# Allegro board 08_038702e.brd (continued)
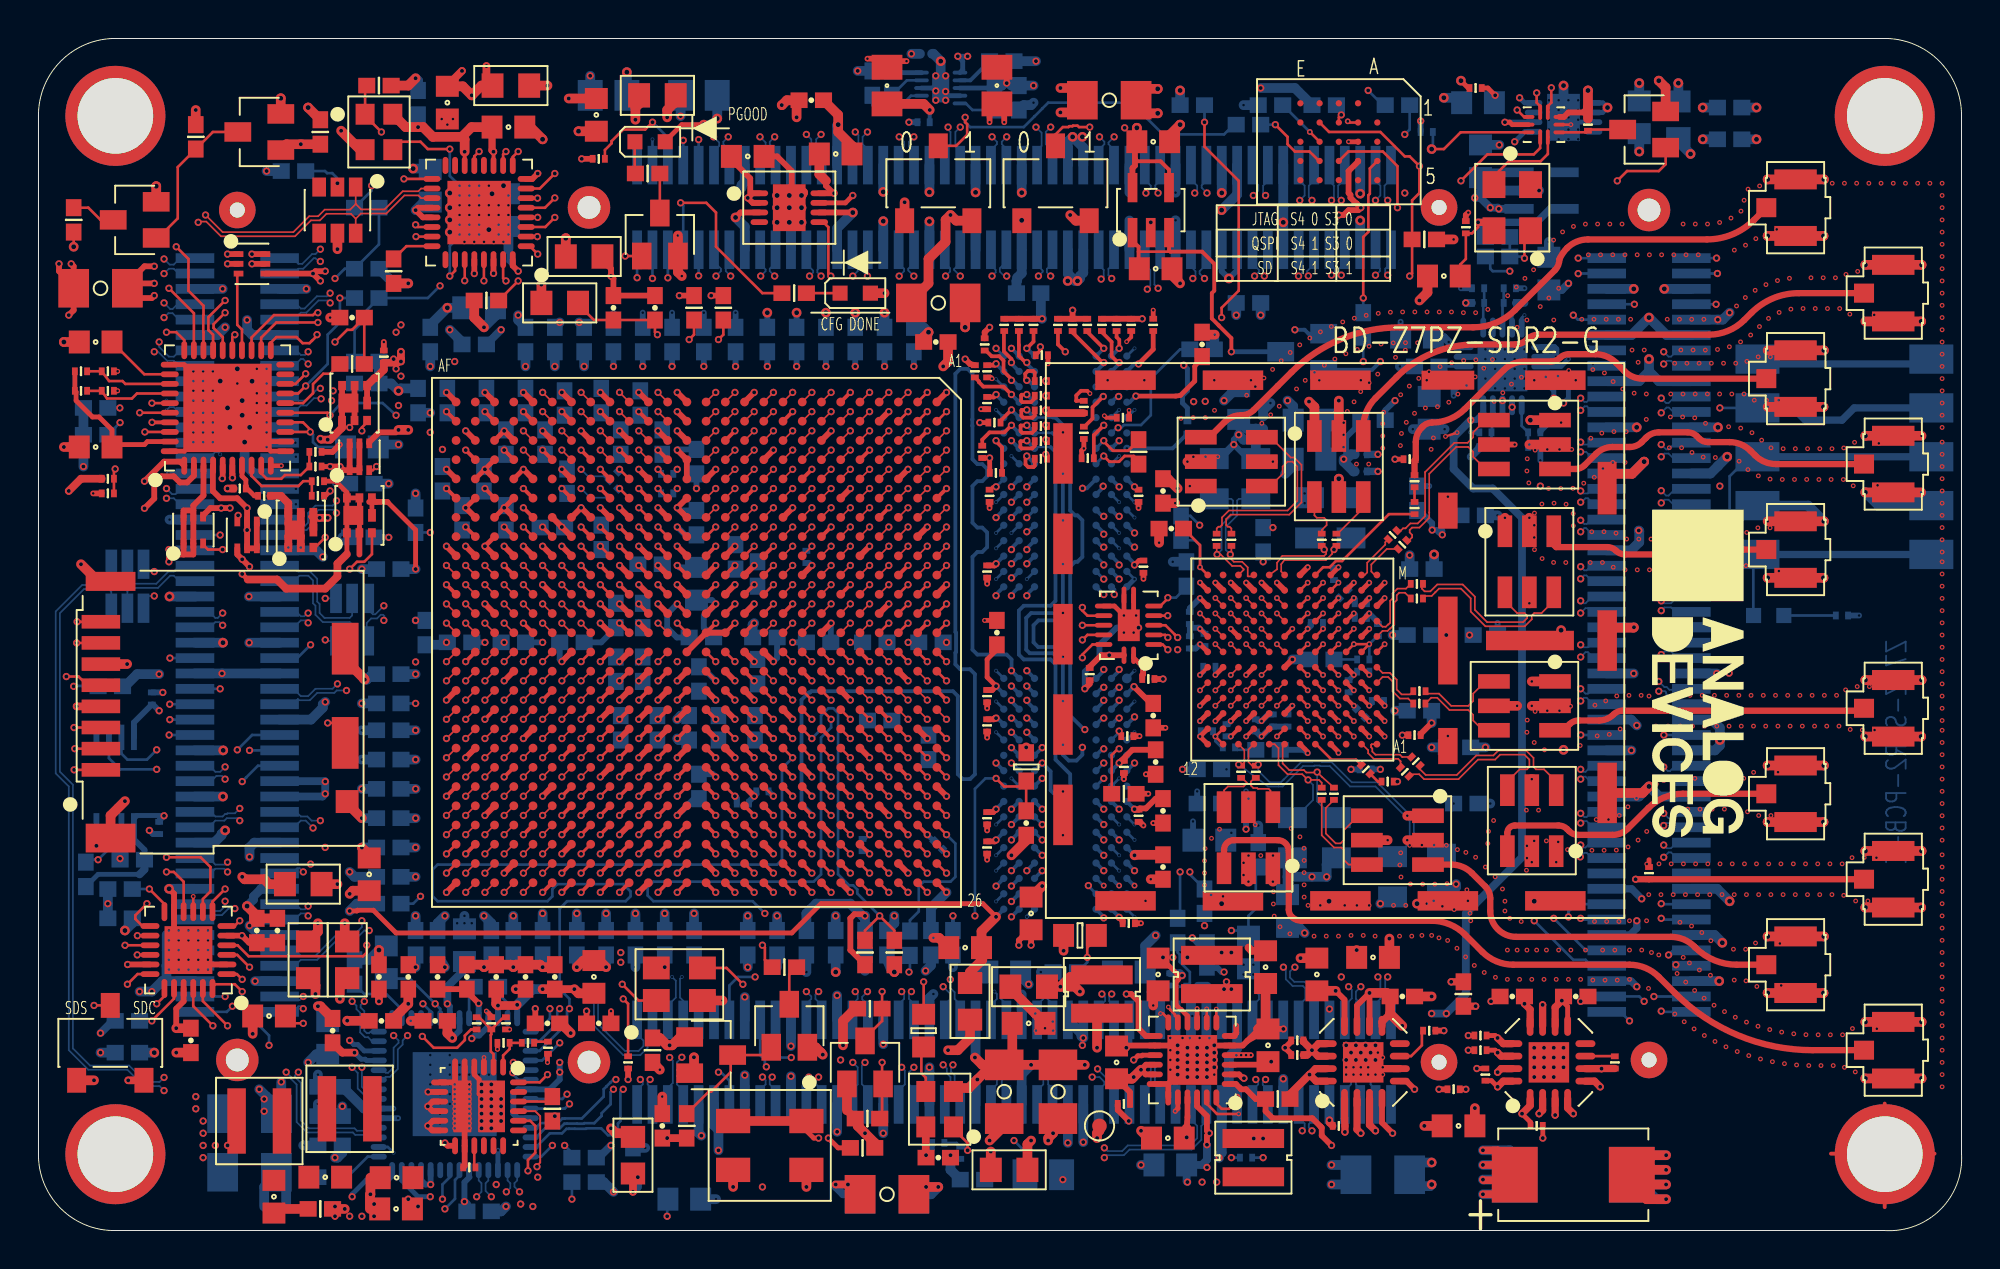
[diagram p0: board, top side]
## Routing (per net, layer and track width the routed paths; a pad name or vN(x,y) marks a point on that pad's centre or on a via; arc(x,y) is an arc through that point) (continued)
  L19_GND w0.089: v4(68.63,7.98) 68.63,7.6 v3(68.76,7.47)
  BOTTOM w0.089: v4(68.63,7.98) 68.51,7.86 68.51,7.6 68.73,7.38 JX2.96
IO_L22_12_JX2_P: length 74.1
  TOP w0.089: U1.AA15 v1(26.22,28.59)
  L17_SIG w0.089: v3(68.12,7.47) 68.12,7.81 68.31,8 68.31,8.08 68.16,8.24 67.62,8.24 67.11,8.74 67.11,10.01 66.22,10.9 66.22,12.94 67.49,14.21 70.56,14.21 70.79,14.44 70.79,17.63 71.17,18.02 71.57,18.02 71.81,18.25 71.81,19.56 71.43,19.94 71.43,22.1 71.19,22.33 62.54,22.33 62.16,21.95 61.01,21.95 60.48,22.48 60.48,22.61 60.25,22.84 48.97,22.84 48.71,23.1 47.56,23.1 47.46,23 42.97,23 42.62,23.34 42.62,23.7 42.33,24 41.97,24 41.62,24.34 41.62,24.7 41.33,25 40.97,25 40.62,25.34 40.62,25.7 40.33,26 31.8,26 31.55,26.25 31.55,26.73 31.55,26.73 31.55,27.45 31.55,27.45 31.55,27.73 31.35,27.92 29.89,27.92 29.55,28.27 29.55,28.73 29.34,28.94 26.7,28.94 26.68,28.96 26.48,28.96 26.38,29.06 26.21,29.06 26.09,28.94 26.09,28.81 26.22,28.68 v1(26.22,28.59)
  L19_GND w0.089: v4(68.12,7.98) v3(68.12,7.47)
  BOTTOM w0.089: v4(68.12,7.98) 68.25,7.86 68.25,7.6 67.93,7.28 JX2.94
IO_L22_13_JX2_N: length 74.1
  TOP w0.089: U1.AB19 v1(25.22,24.59)
  L15_SIG w0.089: v3(58.22,9.13) 58.22,8.24 58.09,8.11 58.09,7.22 57.46,6.59 57.08,6.59 56.31,7.35 56.31,7.98 55.38,8.92 54.8,8.92 54.72,9 53.86,9 53.77,8.91 53.77,6.46 53.52,6.2 49.46,6.2 49.07,5.82 49.07,3.69 48.67,3.28 42.87,3.28 42.75,3.41 39.3,3.41 38.91,3.79 38.91,4.05 38.54,4.43 38.02,4.43 37.64,4.05 37.64,3.81 37.24,3.41 36.25,3.41 35.87,3.79 35.87,5.7 35.6,5.96 35.6,6.7 36.25,7.35 38.3,7.35 38.53,7.58 38.53,11.05 38.3,11.28 35.63,11.28 35.1,11.81 32.29,11.81 30.74,13.36 30.05,13.36 29.75,13.06 25.85,13.06 23.67,15.24 23.67,16.57 24.55,17.45 24.55,17.62 24.56,17.63 24.56,20.81 25.01,21.25 25.35,21.25 25.55,21.45 25.55,21.78 26.02,22.25 26.35,22.25 26.55,22.45 26.55,23.73 26.35,23.93 25.77,23.93 25.59,24.11 25.59,24.22 v1(25.22,24.59)
  L19_GND w0.089: v4(58.22,8.62) v3(58.22,9.13)
  BOTTOM w0.089: JX2.70 58.33,7.33 58.05,7.6 58.05,8.45 v4(58.22,8.62)
IO_L22_13_JX2_P: length 74.1
  TOP w0.089: U1.AA19 v1(26.22,24.59)
  L15_SIG w0.089: v1(26.22,24.59) 25.86,24.23 25.86,24.2 25.88,24.18 26.46,24.18 26.81,23.83 26.81,22.34 26.46,22 26.13,22 25.81,21.68 25.81,21.34 25.46,21 25.11,21 24.82,20.7 24.82,17.53 24.81,17.52 24.81,17.34 23.93,16.47 23.93,15.35 25.96,13.32 29.64,13.32 29.94,13.62 30.85,13.62 32.39,12.07 35.21,12.07 35.74,11.54 38.41,11.54 38.79,11.16 38.79,7.47 38.41,7.09 36.35,7.09 35.85,6.59 35.85,6.07 36.12,5.8 36.12,3.9 36.35,3.66 37.14,3.66 37.39,3.92 37.39,4.16 37.91,4.68 38.65,4.68 39.17,4.16 39.17,3.9 39.4,3.66 42.85,3.66 42.98,3.54 48.57,3.54 48.82,3.79 48.82,5.93 49.35,6.46 53.41,6.46 53.52,6.56 53.52,9.01 53.76,9.25 54.82,9.25 54.9,9.17 55.49,9.17 56.57,8.09 56.57,7.45 57.18,6.84 57.35,6.84 57.84,7.33 57.84,7.6 57.71,7.73 57.71,7.86 57.84,7.98 57.84,8.21 57.96,8.34 57.96,8.74 57.9,8.81 57.77,8.81 57.71,8.74 57.46,8.74 57.39,8.81 57.39,8.93 v3(57.58,9.13)
  L19_GND w0.089: v3(57.58,9.13) 57.71,9 v4(57.71,8.62)
  BOTTOM w0.089: v4(57.71,8.62) 57.84,8.49 57.84,7.6 57.53,7.29 JX2.68
IO_L22_33_JX1_N: length 72.5
  TOP w0.089: U1.J6 v1(39.22,38.59)
  L3_SIG w0.089: v1(39.22,38.59) 39.09,38.46 38.79,38.46 38.68,38.57 38.68,38.7 38.88,38.89 39.35,38.89 39.81,39.34 39.81,39.65 40.15,40 40.46,40 40.81,40.34 40.81,43.96 43.65,46.81 43.99,46.81 44.86,47.67 44.86,48.01 47.75,50.9 64.95,50.9 65.33,51.28 65.33,52.11 65.38,52.16 65.38,52.7 65.02,53.07 65,53.09 64.91,53.09 64.7,53.3 64.7,53.6 65.33,54.23 65.33,54.95 64.57,55.71 64.57,56.52 65.33,57.28 65.33,57.77 64.95,58.15 61.52,58.15 61.14,57.77 61.14,56.73 60.78,56.37 54.28,56.37 53.9,55.99 53.9,55.23 53.52,54.85 43.3,54.85 43.11,55.04 v1(43.11,57.13)
  BOTTOM w0.089: JX1.31 43.13,56.22 42.85,56.5 42.85,56.88 v1(43.11,57.13)
IO_L22_33_JX1_P: length 72.4
  TOP w0.089: U1.K6 v1(38.22,38.59)
  L3_SIG w0.089: v1(42.47,57.13) 42.22,56.88 42.22,56.62 42.34,56.5 42.6,56.5 42.85,56.24 42.85,54.93 43.19,54.59 43.4,54.59 53.62,54.59 54.15,55.12 54.15,55.88 54.39,56.12 60.89,56.12 61.39,56.62 61.39,57.66 61.63,57.89 64.84,57.89 65.08,57.66 65.08,57.39 64.31,56.62 64.31,55.61 65.08,54.85 65.08,54.34 64.44,53.7 64.44,53.19 64.8,52.83 64.89,52.83 64.91,52.81 65.13,52.6 65.13,52.27 65.08,52.22 65.08,51.39 64.84,51.15 47.64,51.15 44.6,48.12 44.6,47.78 43.89,47.06 43.55,47.06 40.55,44.07 40.55,40.45 40.35,40.25 40.04,40.25 39.55,39.76 39.55,39.45 39.25,39.15 38.77,39.15 v1(38.22,38.59)
  BOTTOM w0.089: JX1.29 42.33,56.1 42.64,56.41 42.64,56.97 v1(42.47,57.13)
IO_L22_34_JX4_N: length 72.8
  TOP w0.089: U1.A3 v1(47.22,41.59)
  L18_SIG w0.089: v1(80.17,19.43) 80.19,19.41 80.19,19.29 80.06,19.16 79.94,19.16 79.81,19.29 79.81,19.67 79.68,19.79 78.31,19.79 77.42,20.68 76.1,20.68 75.62,20.2 75.62,15.73 75.24,15.35 73.46,15.35 73.08,15.73 73.08,19.16 72.7,19.54 71.68,19.54 71.3,19.92 71.3,33.38 66.73,37.95 66.73,39.25 60.97,45.01 60.97,45.21 60.77,45.4 58.87,45.4 58.47,45.81 58.47,46.61 58.37,46.72 50.6,46.72 50.2,47.12 50.2,47.63 50.09,47.73 48.19,47.73 47.68,47.23 47.68,44.56 46.81,43.69 46.81,41.25 46.82,41.23 46.97,41.23 47.02,41.28 47.02,41.39 v1(47.22,41.59)
  BOTTOM w0.089: v1(80.17,19.43) 80.38,19.64 80.51,19.64 80.78,19.37 JX4.80
IO_L22_34_JX4_P: length 72.8
  TOP w0.089: U1.A4 v1(47.22,40.59)
  L18_SIG w0.089: v1(47.22,40.59) 46.84,40.96 46.74,40.96 46.55,41.15 46.55,43.79 47.42,44.66 47.42,47.33 48.08,47.99 50.2,47.99 50.45,47.73 50.45,47.23 50.7,46.97 58.47,46.97 58.73,46.72 58.73,45.91 58.98,45.66 60.88,45.66 61.22,45.31 61.22,45.11 66.98,39.35 66.98,38.06 71.55,33.49 71.55,20.03 71.79,19.79 72.8,19.79 73.33,19.26 73.33,15.83 73.56,15.6 75.13,15.6 75.36,15.83 75.36,20.3 76,20.94 77.52,20.94 78.41,20.05 v1(80.19,20.05)
  BOTTOM w0.089: JX4.78 80.69,20.17 80.44,19.92 80.32,19.92 v1(80.19,20.05)
IO_L22_35_CTRL_OUT6: length 29.5
  TOP w0.14: v6(67.6,28.89) U17.F4 ; U1.C12 v1(45.22,32.59)
  L4_SIG w0.095: v1(45.22,32.59) 45.3,32.59 45.9,31.99 47.68,31.99 48.21,32.52 51.41,32.52 52.53,33.64 53.44,33.64 54.08,34.27 57.33,34.27 57.61,33.99 60.52,33.99 60.9,33.62 60.9,33.57 61.07,33.39 61.14,33.39 61.14,33.39 62.02,33.39 62.5,32.92 62.5,32.77 62.67,32.59 62.82,32.59 63.3,32.12 63.3,31.97 63.47,31.79 63.72,31.79 64.1,32.16 64.1,32.22 64.27,32.39 65.52,32.39 65.7,32.22 65.87,32.39 66.12,32.39 66.3,32.22 66.3,32.16 66.87,31.59 66.92,31.59 67.3,31.22 67.3,31.17 67.67,30.79 67.72,30.79 67.9,30.62 67.9,30.37 67.87,30.34 67.87,29.17 v6(67.6,28.89)
IO_L22_35_CTRL_OUT7: length 24.6
  TOP w0.14: v6(67.6,30.49) U17.G4 ; U1.B12 v1(46.22,32.59)
  L14_SIG w0.095: v6(67.6,30.49) 67.25,30.84 65.08,30.84 64.06,31.86 64.06,32.25 63.72,32.59 63.47,32.59 63.44,32.62 62.95,32.62 62.92,32.59 62.67,32.59 62.64,32.62 62.15,32.62 62.12,32.59 61.87,32.59 61.84,32.62 61.35,32.62 61.32,32.59 61.07,32.59 61.04,32.62 60.55,32.62 60.52,32.59 60.27,32.59 60.24,32.62 59.87,32.62 58.98,33.51 48.69,33.51 48.31,33.13 46.76,33.13 v1(46.22,32.59)
IO_L23_12_JX2_N: length 72.7
  TOP w0.089: U1.Y15 v1(27.22,28.59)
  L14_SIG w0.089: v1(70.16,13.19) 70.16,13.52 70.03,13.65 70.03,14.59 69.78,14.84 69.78,15.6 70.16,15.98 70.92,15.98 71.28,16.35 71.28,17.17 71.3,17.18 71.3,19.29 70.92,19.67 68.12,19.67 67.74,20.05 67.74,21.06 67.24,21.57 65.31,21.57 65.08,21.8 65.08,21.93 64.55,22.46 58.6,22.46 57.46,21.32 57.46,16.22 57.17,15.93 49.7,15.93 49.46,16.17 49.46,16.74 48.31,17.89 48.31,18.63 47.69,19.25 30.04,19.25 29.81,19.48 29.81,19.83 29.46,20.18 29.11,20.18 28.81,20.48 28.81,27.83 28.46,28.18 27.82,28.18 27.78,28.22 27.59,28.22 v1(27.22,28.59)
  BOTTOM w0.089: v1(70.16,13.19) 70.03,13.06 70.03,12.05 70.33,11.75 JX2.99
IO_L23_12_JX2_P: length 72.8
  TOP w0.089: U1.Y16 v1(27.22,27.59)
  L14_SIG w0.089: v1(69.65,13.19) 69.65,13.52 69.78,13.65 69.78,14.48 69.52,14.74 69.52,15.71 70.05,16.24 70.81,16.24 71.03,16.45 71.03,17.27 71.05,17.29 71.05,19.18 70.81,19.41 68.02,19.41 67.49,19.94 67.49,20.96 67.13,21.32 65.2,21.32 64.82,21.7 64.82,21.83 64.44,22.21 58.7,22.21 57.71,21.21 57.71,16.11 57.27,15.67 49.6,15.67 49.2,16.07 49.2,16.64 48.06,17.78 48.06,18.52 47.58,19 29.93,19 29.55,19.38 29.55,19.73 29.35,19.93 29,19.93 28.55,20.38 28.55,27.73 28.35,27.93 27.71,27.93 27.68,27.96 27.48,27.96 27.34,28.11 27.24,28.11 27.12,27.98 27.12,27.69 v1(27.22,27.59)
  BOTTOM w0.089: v1(69.65,13.19) 69.78,13.06 69.78,12.05 69.53,11.8 JX2.97
IO_L23_13_JX2_N: length 74.2
  TOP w0.089: U1.W19 v1(28.22,24.59)
  L3_SIG w0.089: v3(60.63,10.65) 60.38,10.4 60.38,10.16 60.1,9.89 59.46,9.89 59.37,9.97 59.09,9.97 58.85,9.73 58.85,8.16 58.79,8.1 58.79,7.54 57.71,6.46 55.93,6.46 55.55,6.08 55.55,5.7 55.17,5.32 53.52,5.32 53.14,5.7 45.01,5.7 44.63,6.08 44.63,6.97 45.01,7.35 50.22,7.35 50.85,7.98 50.85,9 50.47,9.38 49.78,9.38 49.2,9.96 49.2,10.4 48.82,10.78 40.08,10.78 39.3,11.56 39.3,15.22 38.91,15.6 30.91,15.6 30.15,16.36 30.15,16.62 29.62,17.14 29.62,22.93 29.92,23.22 33.58,23.22 33.71,23.35 33.71,24.26 33.63,24.34 33.63,24.7 33.37,24.96 28.59,24.96 v1(28.22,24.59)
  L19_GND w0.089: v4(60.63,11.16) v3(60.63,10.65)
IO_L23_13_JX2_P: length 74.2
  TOP w0.089: U1.W18 v1(28.22,25.59)
  L3_SIG w0.089: v3(59.87,10.65) 60.12,10.4 60.12,10.27 60,10.14 59.56,10.14 59.48,10.22 58.94,10.22 58.6,9.89 58.6,8.27 58.54,8.21 58.54,7.67 57.58,6.71 55.83,6.71 55.3,6.18 55.3,5.8 55.06,5.57 53.62,5.57 53.24,5.95 45.12,5.95 44.88,6.18 44.88,6.86 45.12,7.09 50.32,7.09 51.11,7.88 51.11,9.1 50.58,9.63 49.89,9.63 49.46,10.07 49.46,10.5 48.93,11.03 40.18,11.03 39.55,11.67 39.55,15.33 39.02,15.86 31.02,15.86 30.41,16.47 30.41,16.72 29.88,17.25 29.88,22.82 30.02,22.97 33.69,22.97 33.96,23.24 33.96,24.37 33.88,24.45 33.88,24.81 33.47,25.22 28.48,25.22 28.38,25.12 28.26,25.12 28.17,25.2 28.17,25.33 28.22,25.38 v1(28.22,25.59)
  L19_GND w0.089: v3(59.87,10.65) 60,10.78 v4(60,11.16)
IO_L23_33_JX1_N: length 72
  TOP w0.089: U1.N6 v1(35.22,38.59)
  L7_SIG w0.089: v1(43.11,49.64) 42.85,49.89 42.85,50.27 42.34,50.78 38.51,50.78 38.28,51.01 38.28,51.42 38.53,51.67 41.2,51.67 41.45,51.92 43.57,51.92 43.66,51.84 44.2,51.84 44.28,51.92 45.39,51.92 45.77,52.31 45.77,54.46 46.15,54.85 48.96,54.85 49.33,55.22 49.33,55.74 48.96,56.12 46.53,56.12 46.15,56.5 46.15,57.62 45.9,57.87 45.9,58.68 46.03,58.8 46.03,59.4 45.5,59.93 44.65,59.93 44.12,59.4 44.12,54.95 43.89,54.72 38.51,54.72 38.28,54.95 38.28,55.99 37.9,56.37 34.72,56.37 34.22,55.86 32.18,55.86 31.68,55.35 31.68,54.87 32.08,54.46 35.25,54.46 35.36,54.36 35.36,50.93 35.89,50.4 36.37,50.4 36.5,50.27 36.5,46.21 35.61,45.32 35.61,38.72 35.48,38.59 v1(35.22,38.59)
  BOTTOM w0.089: JX1.32 43.13,50.42 42.81,50.11 42.81,49.93 v1(43.11,49.64)
IO_L23_33_JX1_P: length 72.1
  TOP w0.089: U1.N7 v1(35.22,37.59)
  L7_SIG w0.089: v1(35.22,37.59) 35.87,38.24 35.87,45.22 36.76,46.1 36.76,50.38 36.48,50.65 35.99,50.65 35.61,51.04 35.61,54.46 35.36,54.72 32.19,54.72 31.93,54.98 31.93,55.25 32.29,55.61 34.32,55.61 34.83,56.12 37.79,56.12 38.03,55.88 38.03,54.85 38.41,54.46 43.99,54.46 44.38,54.85 44.38,59.29 44.76,59.67 45.39,59.67 45.77,59.29 45.77,58.91 45.65,58.78 45.65,57.77 45.9,57.51 45.9,56.39 46.43,55.86 48.85,55.86 49.07,55.64 49.07,55.32 48.85,55.1 46.05,55.1 45.52,54.57 45.52,52.41 45.29,52.18 44.18,52.18 44.09,52.09 43.76,52.09 43.68,52.18 41.35,52.18 41.09,51.92 38.43,51.92 38.03,51.52 38.03,50.91 38.41,50.53 42.24,50.53 42.6,50.17 42.6,49.89 v1(42.34,49.64)
  BOTTOM w0.089: JX1.30 42.33,50.29 42.6,50.02 42.6,49.89 v1(42.34,49.64)
IO_L23_34_CTRL_IN0: length 25.6
  TOP w0.14: v1(54.28,29.79) 54.28,29.95 54.81,30.48 U22.13 ; U1.C2 v1(45.22,42.59)
  L15_SIG w0.095: v1(54.28,29.79) 54.92,30.42 54.92,33 53.77,34.14 53.77,42.27 52.97,43.08 50.51,43.08 50.34,43.25 50.04,43.25 49.93,43.14 49.65,43.14 49.54,43.25 47.07,43.25 46.46,43.86 46.42,43.86 46.36,43.93 46.07,43.93 45.88,43.73 45.88,43.27 45.22,42.6 v1(45.22,42.59)
IO_L23_34_CTRL_IN1: length 21.6
  TOP w0.14: U22.12 54.54,30.98 v1(54.28,30.72) ; U1.B1 v1(46.22,43.59)
  L15_SIG w0.095: v1(46.22,43.59) 46.22,43.48 46.67,43.03 49.34,43.03 50.09,42.27 52.76,42.27 53.52,41.51 53.52,34.02 54.66,32.87 54.66,31.1 v1(54.28,30.72)
IO_L23_35_SPI_CLK: length 24.7
  TOP w0.14: v6(66.8,32.09) U17.J5 ; U1.B11 v1(46.22,33.59)
  L14_SIG w0.095: v1(46.22,33.59) 46.23,33.59 46.66,34.02 49.45,34.02 49.7,34.27 50.44,34.27 50.45,34.28 50.73,34.28 50.74,34.27 51.53,34.27 51.79,34.02 55.05,34.02 55.25,34.22 57.13,34.22 57.33,34.02 64.7,34.02 64.95,33.76 64.95,32.11 65.46,31.6 66.47,31.6 66.8,31.93 v6(66.8,32.09)
IO_L23_35_SPI_ENB: length 24.7
  TOP w0.14: v6(66,32.89) U17.K6 ; U1.C11 v1(45.22,33.59)
  L6_SIG w0.095: v6(66,32.89) 65.82,32.89 64.7,34.02 63.81,34.02 63.03,34.79 60.27,34.79 59.49,34.02 57.96,34.02 56.44,32.49 54.79,32.49 54.54,32.74 54.14,32.74 54.02,32.62 48.57,32.62 47.55,33.63 47.55,33.73 47.36,33.93 45.56,33.93 v1(45.22,33.59)
IO_L24_12_JX4_N: length 73.3
  TOP w0.089: U1.W15 v1(28.22,28.59)
  L6_SIG w0.089: v1(28.22,28.59) 28.18,28.56 27.99,28.56 27.87,28.43 27.87,28.18 28.03,28.01 28.28,28.01 28.45,28.18 29.29,28.18 29.62,28.51 29.62,28.59 29.62,28.59 29.62,29.93 30.28,30.59 31.19,30.59 31.85,31.25 32.35,31.25 32.55,31.45 32.55,31.83 32.97,32.25 33.35,32.25 33.55,32.45 33.55,32.82 34.98,34.25 35.35,34.25 35.55,34.45 35.55,34.83 35.97,35.25 36.35,35.25 36.55,35.45 36.55,35.83 36.97,36.25 37.35,36.25 37.55,36.45 37.55,36.83 37.97,37.25 38.35,37.25 38.55,37.45 38.55,37.83 38.97,38.25 39.35,38.25 39.55,38.45 39.55,38.83 39.97,39.25 40.35,39.25 40.55,39.45 40.55,39.83 40.97,40.25 41.35,40.25 41.55,40.45 41.55,40.83 41.97,41.25 42.35,41.25 42.55,41.45 42.55,41.83 42.97,42.25 43.35,42.25 43.55,42.45 43.55,42.83 43.97,43.25 44.35,43.25 44.55,43.45 44.55,43.83 44.9,44.18 47.91,44.18 48.06,44.03 48.06,44.03 49.18,42.91 50.35,42.91 50.45,43.01 52.49,43.01 52.85,42.65 54.41,42.65 54.49,42.57 56.45,42.57 56.79,42.91 58.87,42.91 60.11,44.14 84.72,44.14 85.12,44.53 85.12,44.96 84.89,45.19 84.76,45.19 v1(84.51,45.07)
  BOTTOM w0.089: v1(84.51,45.07) 84.67,45.23 84.89,45.23 85.15,44.97 JX4.15
IO_L24_12_JX4_P: length 73.2
  TOP w0.089: U1.W16 v1(28.22,27.59)
  L6_SIG w0.089: v1(84.51,45.7) 84.79,45.45 84.99,45.45 85.37,45.07 85.37,44.43 84.83,43.89 60.21,43.89 58.98,42.65 56.89,42.65 56.56,42.32 54.38,42.32 54.3,42.4 52.6,42.4 52.52,42.32 52.24,42.32 52.21,42.34 50.45,42.34 50.14,42.65 49.07,42.65 47.8,43.92 45,43.92 44.81,43.73 44.81,43.34 44.46,43 44.08,43 43.81,42.73 43.81,42.34 43.46,42 43.08,42 42.81,41.73 42.81,41.34 42.46,41 42.08,41 41.81,40.73 41.81,40.34 41.46,40 41.08,40 40.81,39.73 40.81,39.34 40.46,39 40.08,39 39.81,38.73 39.81,38.34 39.46,38 39.08,38 38.81,37.73 38.81,37.34 38.46,37 38.08,37 37.81,36.73 37.81,36.34 37.46,36 37.08,36 36.81,35.73 36.81,35.34 36.46,35 36.08,35 35.81,34.73 35.81,34.34 35.46,34 35.08,34 33.81,32.72 33.81,32.34 33.46,32 33.08,32 32.81,31.73 32.81,31.34 32.46,31 31.96,31 31.29,30.33 30.38,30.33 29.88,29.83 29.88,28.49 29.87,28.49 29.87,28.41 29.39,27.93 28.55,27.93 v1(28.22,27.59)
  BOTTOM w0.089: v1(84.51,45.7) 84.76,45.45 84.89,45.45 85.21,45.77 JX4.13
IO_L24_13_JX2_N: length 74.3
  TOP w0.089: U1.AA18 v1(26.22,25.59)
  L15_SIG w0.089: v1(26.22,25.59) 26.37,25.59 26.69,25.26 26.69,25.11 26.88,24.93 27.39,24.93 27.63,24.69 27.63,24.34 27.97,24 28.24,24 28.32,23.92 28.35,23.92 28.55,23.73 28.55,23.69 28.62,23.62 28.62,21.45 28.35,21.18 26.97,21.18 26.63,20.83 26.63,20.83 26.6,20.8 26.6,20.71 26.55,20.67 26.55,17.38 26.25,17.08 25.97,17.08 25.62,16.74 25.62,15.74 25.97,15.39 25.98,15.39 26.15,15.22 27.1,15.22 27.74,15.86 36.56,15.86 36.64,15.77 38.08,15.77 38.49,15.77 40.31,13.95 47.68,13.95 49.33,12.3 49.84,12.3 50.34,11.79 54.39,11.79 54.92,12.32 54.92,12.43 55.3,12.81 56.57,12.81 56.95,12.43 56.95,10.93 57.48,10.4 57.64,10.4 58.54,9.5 58.54,9.28 58.55,9.26 58.55,8.99 58.54,8.97 58.54,7.72 58.6,7.66 58.6,7.22 60.12,5.7 60.12,4.68 58.09,2.65 56.66,2.65 56.45,2.44 56.17,2.44 55.96,2.65 55.17,2.65 54.44,3.38 54.44,3.69 54.66,3.91 54.79,4.05 54.92,4.05 55.04,3.92 55.04,3.54 55.17,3.41 55.3,3.41 55.42,3.54 v1(55.42,3.79)
  BOTTOM w0.089: JX2.76 60.73,5.7 60.47,5.44 60.47,4.72 59.96,4.21 56.73,4.21 56.44,3.92 55.55,3.92 v1(55.42,3.79)
IO_L24_13_JX2_P: length 74.2
  TOP w0.089: U1.Y18 v1(27.22,25.59)
  L15_SIG w0.089: v1(27.22,25.59) 26.95,25.32 26.95,25.22 26.98,25.18 27.5,25.18 27.88,24.8 27.88,24.45 28.08,24.25 28.35,24.25 28.42,24.18 28.46,24.18 28.81,23.83 28.81,23.8 28.88,23.72 28.88,21.34 28.46,20.92 27.08,20.92 26.88,20.73 26.88,20.72 26.85,20.69 26.85,20.61 26.81,20.57 26.81,17.28 26.36,16.83 26.07,16.83 25.88,16.63 25.88,15.84 26.07,15.65 26.09,15.65 26.26,15.48 27,15.48 27.63,16.11 36.66,16.11 36.74,16.03 38.18,16.03 38.59,16.03 39.01,15.61 40.42,14.21 47.78,14.21 49.43,12.55 49.94,12.55 50.45,12.05 54.28,12.05 54.66,12.43 54.66,12.53 55.19,13.06 56.67,13.06 57.2,12.53 57.2,11.03 57.58,10.65 57.74,10.65 58.79,9.6 58.79,9.39 58.81,9.37 58.81,8.88 58.79,8.86 58.79,7.82 58.85,7.76 58.85,7.33 60.38,5.8 60.38,4.58 58.2,2.39 56.77,2.39 56.56,2.19 56.07,2.19 55.86,2.39 55.06,2.39 54.18,3.28 54.18,3.59 54.18,3.8 54.55,4.17 54.68,4.3 v1(55.42,4.3)
  BOTTOM w0.089: JX2.74 59.93,5.77 60.25,5.44 60.25,4.81 59.87,4.43 56.64,4.43 56.35,4.13 55.59,4.13 v1(55.42,4.3)
IO_L24_33_JX1_N: length 72.4
  TOP w0.089: U1.K7 v1(38.22,37.59)
  L7_SIG w0.089: v1(38.22,37.59) 38.41,37.4 38.41,37.32 38.22,37.13 37.86,37.13 37.77,37.22 37.77,37.31 37.81,37.34 37.81,43.97 38.19,44.35 40.04,44.35 40.57,44.88 40.57,47.55 40.55,47.57 40.55,47.9 40.57,47.92 40.57,48.64 40.8,48.88 41.35,48.88 41.58,48.64 41.58,44.88 42.11,44.35 42.77,44.35 43.99,45.57 45.14,45.57 45.52,45.96 45.52,47.1 46.41,47.99 47.68,47.99 48.95,49.26 48.95,49.51 49.33,49.89 49.36,49.89 49.44,49.98 52.77,49.98 52.85,49.89 61.72,49.89 61.74,49.91 61.93,49.91 62.28,50.26 62.28,50.79 61.91,51.16 52.63,51.16 52.25,51.54 52.25,54.19 51.72,54.72 50.75,54.72 50.22,54.19 50.22,51.54 49.84,51.16 46.81,51.16 46.28,50.63 46.28,49.26 46.03,49 45.39,49 45.26,49.13 45.26,49.38 v1(45.52,49.64)
  BOTTOM w0.089: v1(45.52,49.64) 45.23,49.93 45.23,50.02 45.53,50.32 JX1.38
IO_L24_33_JX1_P: length 72.4
  TOP w0.089: U1.K8 v1(38.22,36.59)
  L7_SIG w0.089: v1(38.22,36.59) 38.22,36.69 38.03,36.88 37.75,36.88 37.52,37.11 37.52,37.41 37.55,37.45 37.55,44.07 38.08,44.6 39.93,44.6 40.31,44.98 40.31,47.44 40.29,47.46 40.29,48 40.31,48.02 40.31,48.75 40.69,49.13 41.45,49.13 41.84,48.75 41.84,44.98 42.22,44.6 42.66,44.6 43.89,45.83 45.03,45.83 45.26,46.06 45.26,47.2 46.3,48.24 47.57,48.24 48.69,49.36 48.69,49.62 49.22,50.15 49.25,50.15 49.34,50.23 52.88,50.23 52.96,50.15 61.61,50.15 61.63,50.16 61.82,50.16 62.03,50.37 62.03,50.69 61.81,50.91 52.52,50.91 52,51.44 52,54.08 51.61,54.46 50.85,54.46 50.47,54.08 50.47,51.44 49.94,50.91 46.92,50.91 46.53,50.53 46.53,49.15 46.13,48.75 45.29,48.75 45.01,49.03 45.01,49.38 v1(44.76,49.64)
  BOTTOM w0.089: v1(44.76,49.64) 45.01,49.89 45.01,50.02 44.73,50.3 JX1.36
IO_L24_34_CTRL_IN2: length 19
  TOP w0.14: U22.11 v1(54.28,31.48) ; U1.B2 v1(46.22,42.59)
  L15_SIG w0.095: v1(54.28,31.48) 52.88,32.87 52.88,40.4 52.58,40.71 48.73,40.71 47.36,42.08 46.6,42.08 46.22,42.46 v1(46.22,42.59)
IO_L24_34_CTRL_IN3: length 17.7
  TOP w0.14: U1.A2 v1(47.22,42.59) ; v1(54.28,32.4) 54.28,32.24 54.54,31.98 U22.10
  L15_SIG w0.095: v1(47.22,42.59) 47.8,42 48.49,42 48.81,41.68 49.54,41.68 49.71,41.51 52.5,41.51 53.27,40.75 53.27,33.42 v1(54.28,32.4)
IO_L24_35_SPI_DI: length 27.9
  TOP w0.14: v6(67.6,32.09) U17.J4 ; U1.A13 v1(47.22,31.59)
  L14_SIG w0.095: v6(67.6,32.09) 67.6,31.72 67.9,31.42 67.9,28.77 67.72,28.59 67.47,28.59 67.3,28.77 67.3,28.88 66.73,29.45 66.35,29.45 65.58,30.21 64.82,30.21 64.44,29.83 59.49,29.83 59.45,29.87 58.59,29.87 58.39,30.07 58.39,30.7 58.12,30.97 55.17,30.97 55.04,31.1 53.84,31.1 53.3,30.56 50.63,30.56 49.84,31.35 48.31,31.35 48.07,31.59 v1(47.22,31.59)
IO_L24_35_SPI_DO: length 28.5
  TOP w0.14: U1.A12 v1(47.22,32.59) ; v6(66,33.69) U17.L6
  L6_SIG w0.095: v1(47.22,32.59) 46.68,33.13 45.01,33.13 44.76,33.38 44.76,33.89 45.11,34.25 45.36,34.25 45.38,34.27 46.05,34.27 46.07,34.25 46.36,34.25 46.38,34.27 47.05,34.27 47.07,34.25 47.83,34.25 48.69,33.38 54.54,33.38 55.18,32.74 56.3,32.74 58.35,34.78 59.87,34.78 60.63,35.54 63.81,35.54 65.65,33.69 v6(66,33.69)
J3-9: length 110.8
  TOP w0.14: v1(78.67,59.43) 78.67,58.66 78.48,58.47 U5.7 ; J3.9 15.95,25.87 15.42,26.4 v1(15.04,26.4)
  L14_SIG w0.095: v1(15.04,26.4) 13.51,27.92 13.51,30.59 14.02,31.1 16.05,31.1 17.58,32.62 17.58,39.1 17.96,39.48 17.96,41.64 18.34,42.02 28.25,42.02 28.55,42.33 28.55,44.23 32.31,47.99 35.74,47.99 36.76,49 36.76,52.81 38.53,54.59 46.28,54.59 47.04,55.35 55.81,55.35 57.33,56.88 65.94,56.88 65.98,56.83 66.23,56.83 66.28,56.88 69.14,56.88 70.66,58.4 72.57,58.4 73.33,57.64 75.11,57.64 75.62,57.13 76.51,57.13 78.16,58.78 78.41,58.78 78.67,59.04 v1(78.67,59.43)
  L15_SIG w0.095: v1(1.83,28.3) 4.5,25.64 6.15,25.64 6.4,25.38 7.29,25.38 7.8,25.89 13.64,25.89 14.15,26.4 v1(15.04,26.4)
  BOTTOM w0.14: v1(1.83,28.3) 1.85,28.32 3.08,28.32 3.1,28.3
JTAG_TCK: length 27.8
  TOP w0.14: U1.W12 v1(28.22,32.59)
  L15_SIG w0.095: v1(28.22,32.59) 27.88,32.93 27.88,43.81 30.15,46.08 30.15,51.04 31.13,52.01 v3(31.13,56.28)
  L19_GND w0.203: v4(31.13,56.79) v3(31.13,56.28)
  BOTTOM w0.14: JX1.1 v4(31.13,56.79)
JTAG_TDI: length 19.5
  TOP w0.14: U1.V11 v1(29.22,33.59)
  L7_SIG w0.095: v1(31.93,49.51) 31.93,47.22 30.88,46.17 30.88,35.25 30.56,34.93 30.56,34.45 30.36,34.25 29.88,34.25 v1(29.22,33.59)
  BOTTOM w0.14: JX1.4 v1(31.93,49.51)
JTAG_TDO: length 25.9
  TOP w0.14: U1.W10 v1(28.22,34.59)
  L15_SIG w0.095: v3(31.93,56.12) 31.93,51.16 30.66,49.89 30.66,45.22 29.37,43.93 29.07,43.93 28.88,43.73 28.88,43.54 28.56,43.22 28.56,34.93 v1(28.22,34.59)
  L19_GND w0.203: v4(31.93,56.75) v3(31.93,56.12)
  BOTTOM w0.14: JX1.3 v4(31.93,56.75)
JTAG_TMS: length 19.8
  TOP w0.14: U1.W11 v1(28.22,33.59)
  L7_SIG w0.095: v1(31.13,49.55) 31.13,47.06 30.53,46.46 30.53,44.58 30.56,44.56 30.56,35.45 30.36,35.25 30.07,35.25 29.56,34.73 29.56,34.45 29.36,34.25 28.88,34.25 v1(28.22,33.59)
  BOTTOM w0.14: JX1.2 v1(31.13,49.55)
JX3_SD1_CDN: length 94.5
  TOP w0.14: U5.9 77.25,57.91 v1(76.89,58.27)
  L14_SIG w0.095: v1(6.83,27.37) 10.3,27.37 12.24,29.32 12.24,31.48 13.26,32.49 16.44,32.49 17.2,33.26 17.2,42.02 18.45,43.27 18.89,43.27 18.91,43.29 19.36,43.29 19.48,43.16 26.27,43.16 26.55,43.45 26.55,43.76 29.64,46.84 30.66,46.84 34.34,50.53 34.34,53.7 35.61,54.97 46.03,54.97 46.79,55.73 53.52,55.73 54.26,56.47 54.45,56.47 54.68,56.71 54.68,56.9 56.57,58.78 70.03,58.78 70.66,59.42 73.46,59.42 74.6,58.27 v1(76.89,58.27)
  BOTTOM w0.14: JX3.41 v1(6.83,27.37)
JX_MGTAVCC: length 19.6
  TOP w0.305: 7.55,35.16 7.16,35.16 6.91,35.41 v1(6.78,35.41) v1(6.78,34.78) ; 7.55,35.16 Q8.1 Q8.6 7.55,37.45 8.05,37.45 ; 7.55,35.16 8.05,35.16 Q8.2 Q8.5 8.05,37.45 ; U7.3 8.58,38.23 8.05,37.7 8.05,37.45
  BOTTOM w0.508: 6.66,12.97 6.66,13.77 6.67,13.77 ; 6.66,12.97 JX3.5 ; 6.66,12.97 6.44,12.97 v1(5.89,12.43) v1(5.26,12.43) ; 6.67,13.77 JX3.7 ; 6.67,13.77 6.67,14.57 ; 6.67,14.57 6.67,15.37 JX3.11 ; 6.67,14.57 JX3.9
JX_MGTAVTT: length 28.4
  TOP w0.305: Q7.1 Q7.6 Q7.5 v1(10.85,36.43) Q7.2 v1(10.85,37.57) 10.34,38.08 9.45,38.08 9.07,38.46 9.07,39.76 U7.4
  L4_SIG w0.508: v1(10.85,36.43) 10.97,36.43 11.61,35.8 11.61,25.51 13.77,23.35 v1(14.91,23.35)
  BOTTOM w0.406: JX3.32 14.89,23.37 v1(14.91,23.35) v1(14.91,22.71) 14.77,22.57 JX3.30
JX_VCCO_12: length 13.3
  TOP w0.406: Q11.PAD1 12.99,36.1 v2(12.99,35.52) ; Q11.PAD1 13.64,36.11 v2(13.64,35.52) ; Q11.PAD1 13.64,36.75 Q11.5 ; Q11.PAD1 12.99,36.76 Q11.6 12.99,37.83 12.61,38.21 R70.1
  L2_GND w0.381: v3(13.51,34.78) 13.64,34.91 v2(13.64,35.52) ; v2(12.99,35.52) 12.99,34.79 v3(13.01,34.78)
  BOTTOM w0.305: JX1.78 61.53,49.89 v5(61.9,49.51) 62.33,49.94 JX1.80
  BOTTOM w0.508: JX1.79 62.33,53.87 v5(61.52,53.07)
JX_VCCO_12_SEQ: length 2.1
  TOP w0.14: 10.85,38.59 R69.1
  TOP w0.254: 10.85,38.59 11.23,38.21 R70.2 ; R69.1 10.78,39.03 10.58,39.24 U7.7
JX_VCCO_13: length 125.6
  TOP w0.254: Q9.6 16.04,37.52 Q9.PAD1 ; Q9.6 16.04,38.38 15.45,38.97 R72.1 ; Q9.6 Q9.5 16.69,37.51 Q9.PAD1 ; Q9.PAD1 16.69,36.87 16.69,36.49 ; Q9.PAD1 16.04,36.86 Q9.1 16.04,35.18 ; v1(10.59,34.14) 10.88,33.86
  TOP w0.305: 16.69,35.16 Q9.2 16.69,36.49
  TOP w0.406: 10.88,33.86 12.4,33.86 12.88,33.38 14.91,33.38 15.55,34.02 15.55,34.68 16.04,35.18
  L3_SIG w0.305: v1(10.59,34.14) 10.34,33.89 10.34,28.97 v1(9.54,28.97)
  L14_SIG w0.254: v3(69.52,7.47) 68.51,6.46 63.93,6.46 62.92,7.47 61.65,7.47 60.89,6.71 56.57,6.71 55.68,5.82 32.69,5.82 31.68,4.81 29.98,4.81 29.94,4.85 29.1,4.85 28.42,5.52 27.74,5.52 27.48,5.27 26.17,5.27 24.94,4.05 22.32,4.05 21.77,3.49 21.1,3.49 21.09,3.5 20.33,3.5 19.9,3.93 19.9,4.6 19.66,4.85 18.18,4.85 16.18,6.84 16.18,7.73 14.15,9.76 13.9,9.76 13.39,10.27 13.39,10.57 13.35,10.6 13.35,11.02 13.35,11.07 13.26,11.16 13.26,11.16 13.13,11.28 13.13,13.82 11.86,15.09 11.86,16.62 10.85,17.63 10.59,17.63 10,18.23 9.49,18.23 7.8,19.92 6.02,19.92 4.24,18.14 3.23,18.14 2.64,18.73 2.64,18.85 2.64,19.04 2.64,19.04 2.59,19.09 2.59,21.06 3.74,22.21 3.74,27.29 5.8,29.36 6.45,29.36 6.49,29.32 9.2,29.32 v1(9.54,28.97)
  L19_GND w0.102: v3(69.52,7.47) 69.39,7.6 v4(69.39,7.98)
  BOTTOM w0.102: v4(69.39,7.98) 69.27,7.86 69.27,7.6 69.53,7.34 JX2.98
  BOTTOM w0.508: JX3.46 v1(9.54,28.97) JX3.45
